# Altium PCB radioboard.PcbDoc (part 8 of 9) (continued)
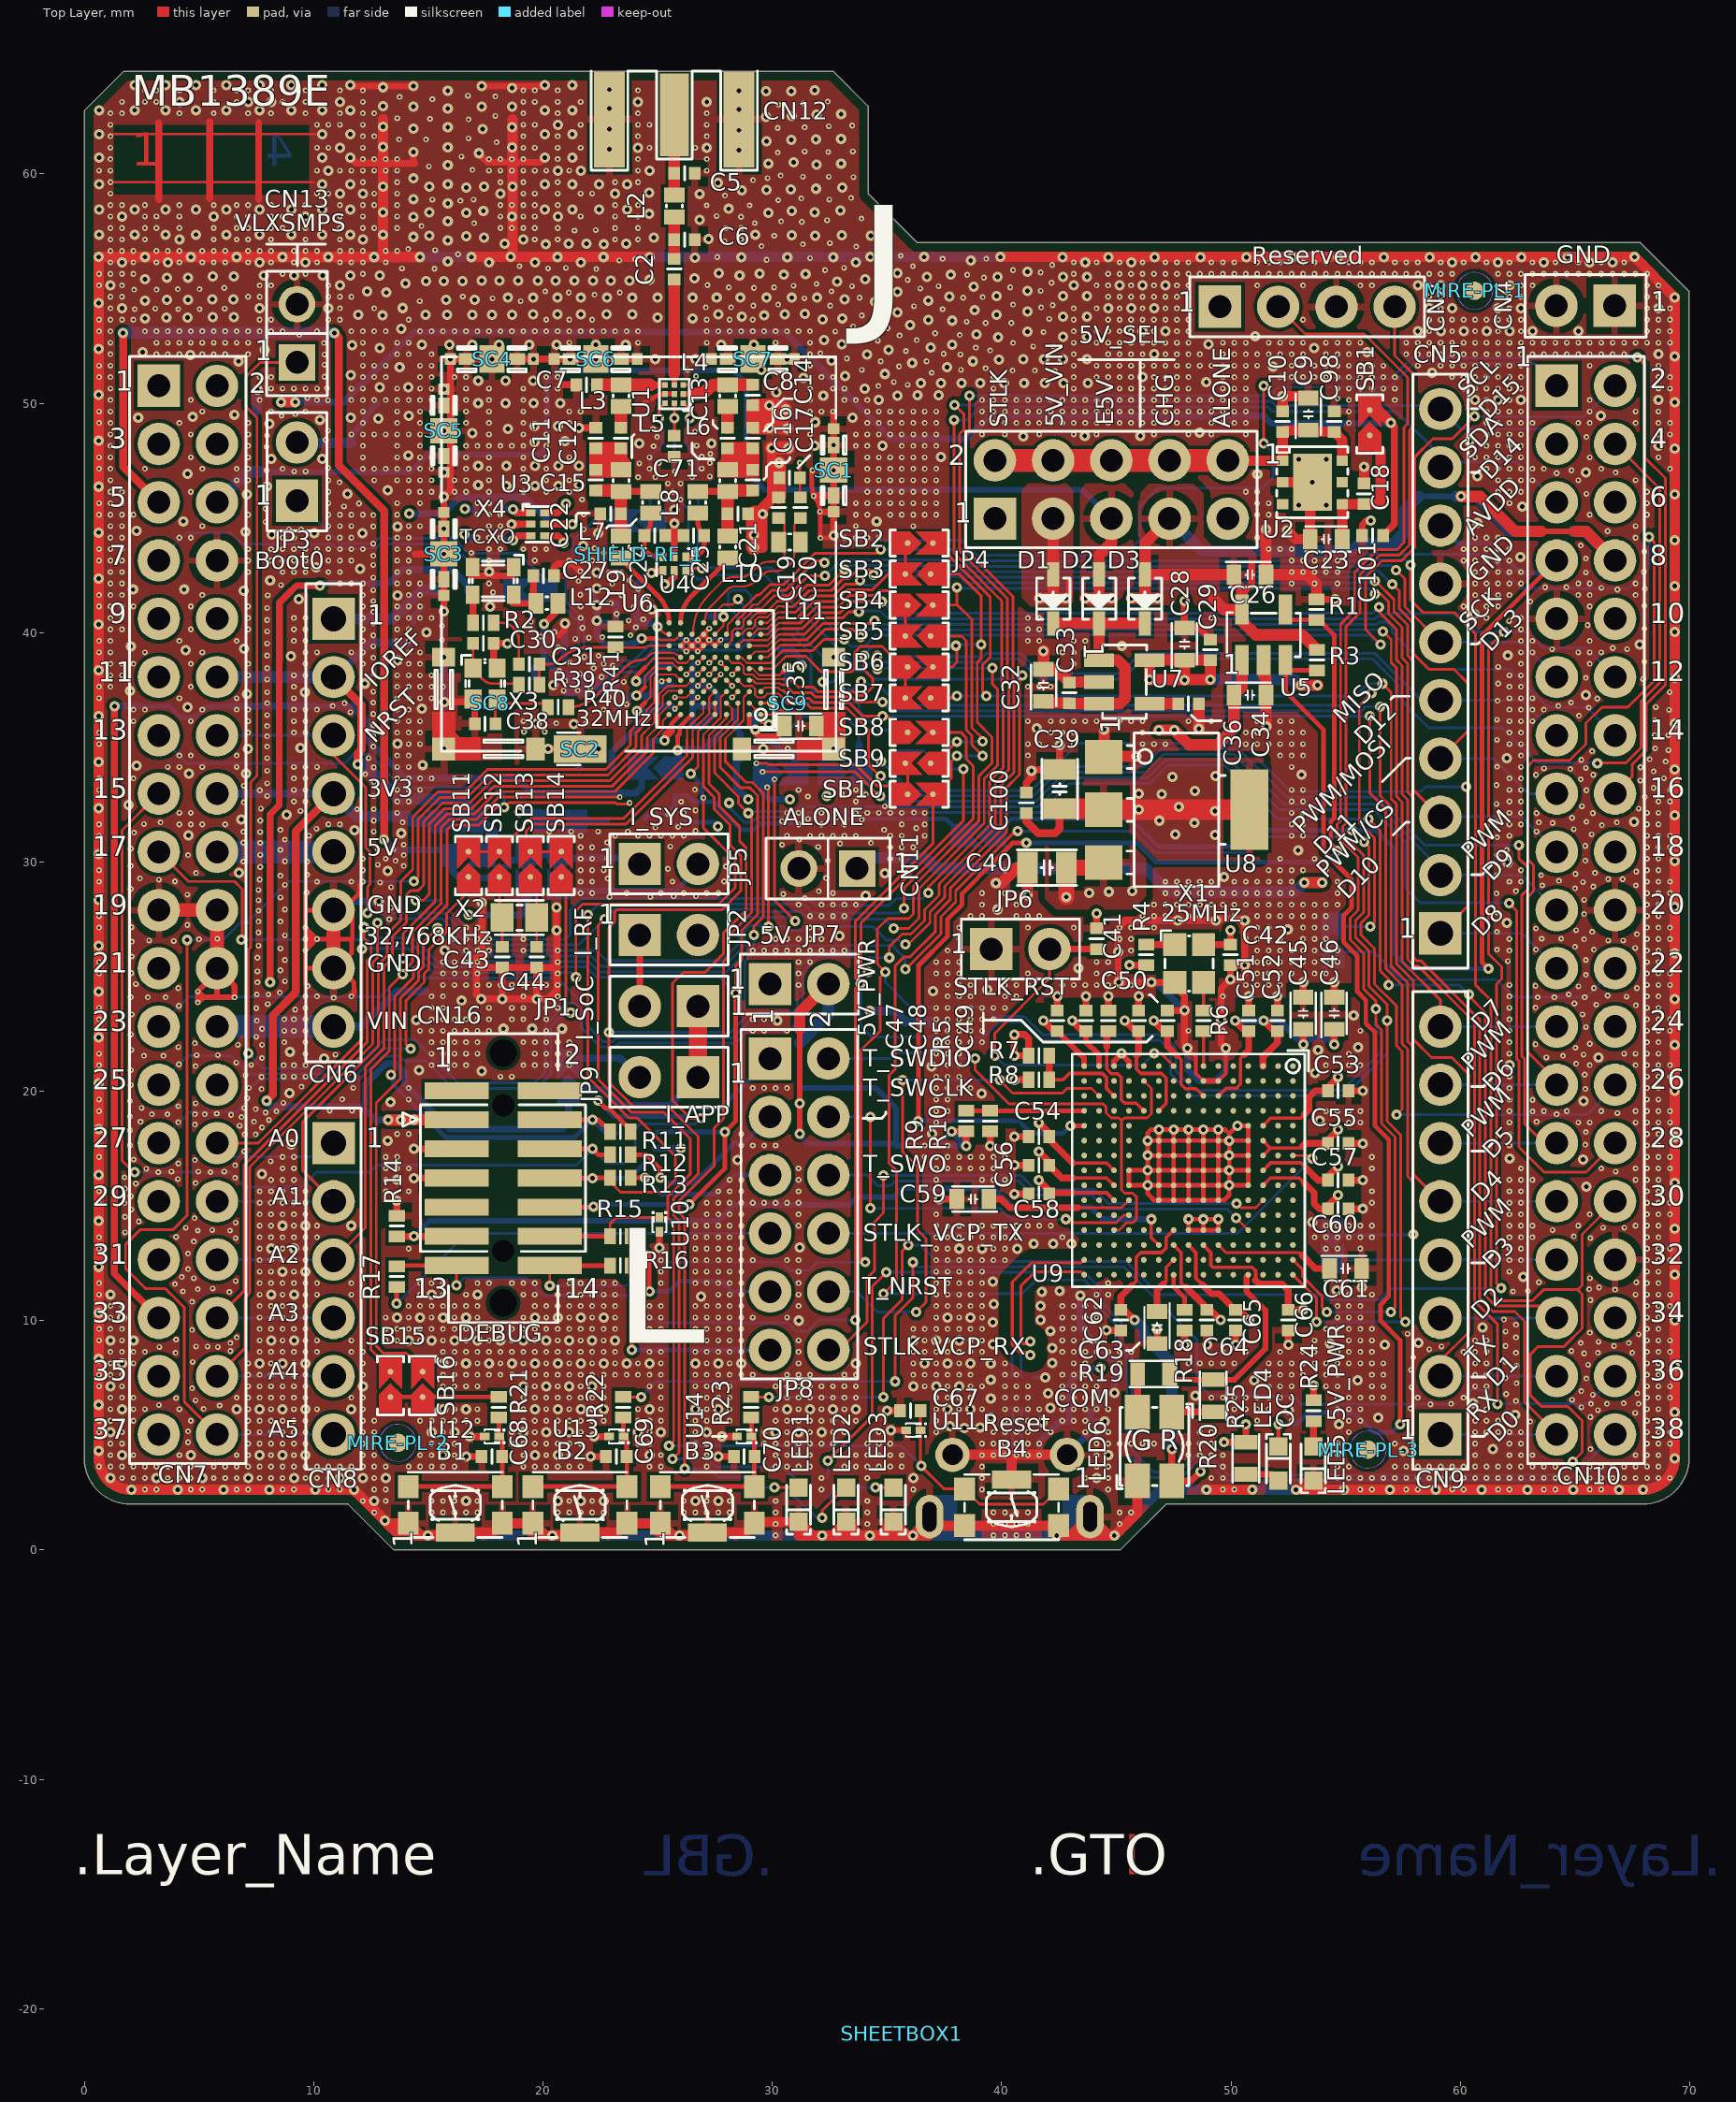
[diagram p0: Top Layer view]
## Nets (pads, with @x,y where several pads share a name; then routed paths per layer and width w, separated by ;. In a path a pad name is that pad's centre, name@x,y a point inside that pad or via, vN(x,y) a via of type N, cw(c..) or ccw(c..) an arc to the next point about the centre after c; other vN are vias at no path point) (continued)
  Bottom Layer w0.12: v3(34.85,16.325) 40.852,16.325 41.457,15.72 44.03,15.72 44.65,15.1 v3(50.25,15.1)
STLK_VCP_TX: JP8.8 U9.A7 | length 23.4
  Top Layer w0.12: U9.A7@52.7,17.2 53.4,17.2 53.525,17.075 v3(53.55,17.075)
  Bottom Layer w0.12: JP8.8@32.445,13.805 50.28,13.805 v3(53.55,17.075)
T_NRST: B4.1 B4.3 C67.2 CN6.3 CN7.14 CN16.12 R15.1 U6.F5 U10.1 U11.1 | length 118.9
  Top Layer w0.12: CN6.3@10.867,35.521 10.867,34.657 12.275,33.249 12.275,30.622 12.448,30.448 12.448,29.012 12.35,28.914 v3(12.35,27.775) ; v3(22.688,27.513) 22.415,27.24 22.415,20.514 23.844,19.085 25.275,19.085 26.405,17.955 26.405,17.93 26.418,17.918 26.418,16.384 25.45,15.416 25.45,14.5 ; R15.1@22.925,13.675 22.925,14.225 23.2,14.5 U10.1@25.075,14.5 25.45,14.5 ; v3(25.495,4.545) 25.7,4.75 25.7,14.25 25.45,14.5 ; v2(27.25,38.675) U6.F5@27.5,38.925 ; v3(35.3,27.1) 35.95,27.1 36.395,27.545 36.395,28.837 39.24,31.682 39.24,33.626 39.822,34.208 39.822,37.532 39.602,37.752 v3(39.602,38.452) ; U11.1@36.45,5.225 36.45,3.7 37.484,2.666 B4.3@38.383,2.666 39.049,2 41.817,2 B4.1@42.483,2.666 ; C67.2@36.45,6.075 36.462,6.063 U11.1@36.462,5.225
  Top Layer w0.2: CN16.12@20.296,13.678 22.156,13.678 22.159,13.675 R15.1@22.925,13.675
  Signal Layer 1 w0.12: v2(27.25,38.675) 27.545,38.97 27.767,38.97 28.262,39.465 31.612,39.465 32.205,38.872 32.205,38.757 33.542,37.42 33.993,37.42 34.577,38.004 34.577,38.154
  Bottom Layer w0.12: CN7.14@5.787,35.521 CN6.3@10.867,35.521 ; v3(12.35,27.775) 15.689,27.775 17.084,26.38 21.555,26.38 v3(22.688,27.513) 23.103,27.928 29.4,27.928 29.5,27.828 29.57,27.828 31.275,27.828 ; v3(25.495,4.545) 35.63,4.545 v3(36.5,3.675) ; 31.275,27.825 31.6,27.5 34.9,27.5 v3(35.3,27.1) ; v3(34.577,38.402) 34.577,38.448 39.598,38.448 v3(39.602,38.452)
T_NRSTa: JP8.10 U9.P3 | length 24
  Top Layer w0.12: v3(35.675,20.5) 35.675,17.375 36.332,16.718 36.332,13.943 36.7,13.575 36.7,10.8 v3(36.275,10.375) ; v3(39.925,20.5) 39.9,20.5 40.475,19.925 42.65,19.925 42.85,20.125 43.925,20.125 U9.P3@44.25,19.8
  Bottom Layer w0.12: JP8.10@32.445,11.265 33.685,11.265 34.575,10.375 v3(36.275,10.375) ; v3(35.675,20.5) v3(39.925,20.5)
T_PWR_EN: R1.2 U5.4 U9.R5 | length 48.7
  Top Layer w0.2: v3(36.35,18.7) 36.375,18.725 36.375,25.489 37.635,26.749 37.635,27.498 38.275,28.138 38.275,28.624 39.651,30 40.476,30.825 v3(41.075,30.825) ; v3(43,18.5) U9.R5@43.6,18.5 ; U5.4@52.375,41 52.375,40.55 R1.2@53.725,40.55 53.85,40.55 54.5,39.9 54.5,31.908 54.35,31.758 54.35,30.8 54.674,30.476 v3(54.653,30.476)
  Bottom Layer w0.2: v3(36.35,18.7) 36.375,18.725 40.725,18.725 41.275,18.175 42.675,18.175 v3(43,18.5) ; v3(41.075,30.825) 45.883,30.825 46.708,30 54.176,30 v3(54.653,30.476)
T_PWR_EXT: R9.2 R10.2 U9.R4 | length 5.2
  Top Layer w0.2: R9.2@38.45,19.15 R10.2@39.5,19.15 U9.R4@43.6,19.15
T_SWCLKa: JP8.4 U9.M11 | length 17.5
  Top Layer w0.12: v3(34.275,14.9) v3(34.275,18.875) ; v3(42.802,14.426) 42.802,14.448 42.975,14.275 45.006,14.275 45.331,14.6 U9.M11@45.55,14.6
  Bottom Layer w0.12: JP8.4@32.445,18.885 32.455,18.875 v3(34.275,18.875) ; v3(34.275,14.9) 34.28,14.895 39.93,14.895 40.399,14.426 v3(42.802,14.426)
T_SWDIOa: JP8.2 U9.L2 U9.N12 | length 23.5
  Top Layer w0.12: v3(38.85,21.425) 38.85,20.925 40.32,19.455 44.42,19.455 44.555,19.32 44.555,19.064 44.614,19.004 44.774,18.845 45.105,18.845 45.225,18.725 ; U9.N12@44.9,13.95 45.119,13.95 45.444,14.275 45.725,14.275 45.875,14.425 45.875,15.4 45.72,15.555 45.37,15.555 45.225,15.7 45.225,18.725 ; U9.L2@46.2,20.45 46.525,20.125 46.525,19.025 46.345,18.845 45.345,18.845 45.225,18.725
  Bottom Layer w0.12: JP8.2@32.445,21.425 35.175,21.425 35.425,21.675 37.275,21.675 37.525,21.425 v3(38.85,21.425)
T_SWO: CN16.8 R13.1 SB8.2 U16.3 | length 47
  Top Layer w0.12: v3(21.95,27.7) 21.95,20.64 23.745,18.845 24.105,18.845 25.775,17.175 25.775,16.15 25.225,15.6 23.388,15.6 22.925,16.063 R13.1@22.925,16.225 ; v3(35.75,27.975) 35.75,28.871 38.76,31.881 38.76,34.175 38.73,34.205 38.73,34.218 38.457,34.491 38.457,35.413 38.22,35.65 37.884,35.65 SB8.2@37,35.65
  Top Layer w0.2: CN16.8@20.296,16.218 v3(22.156,16.218) 22.163,16.225 R13.1@22.925,16.225
  Bottom Layer w0.12: v3(21.95,27.7) 22.418,28.168 31.375,28.168 ; 31.375,28.15 31.75,27.775 35.55,27.775 v3(35.75,27.975)
  Bottom Layer w0.2: v3(22.156,16.218) 23.784,16.218 24.429,16.862 U16.3@24.888,16.862
T_SWOa: JP8.6 U9.D12 | length 19.5
  Top Layer w0.12: v3(50.225,14.475) U9.D12@50.75,13.95
  Bottom Layer w0.12: JP8.6@32.445,16.345 34.13,16.345 34.6,15.875 35.15,15.875 35.36,16.085 40.753,16.085 41.358,15.48 43.931,15.48 44.551,14.86 49.84,14.86 v3(50.225,14.475)
T_VCP_RX: CN16.13 R17.2 SB5.1 SB10.2 U15.1 | length 61.9
  Top Layer w0.12: v3(16.232,11.532) CN16.13@16.232,12.408 ; v3(33.625,10.025) 33.63,10.03 33.63,24.48 v3(33.852,24.701) 33.852,24.723 33.63,24.945 33.63,27.43 37,30.8 SB10.2@37,32.95 37.1,32.95 37.6,33.45 37.8,33.65 37.8,34.375 v3(38.052,34.627) ; SB5.1@36.9,39.85 38.25,39.85 38.455,39.645 38.455,35.754 38.697,35.512 38.697,35.107 v3(39.177,34.627)
  Top Layer w0.2: R17.2@13.6,12.4 R17.2@13.65,12.4 ; R17.2@13.625,12.375 R17.2@13.65,12.4 ; CN16.13@15.8,12.408 13.658,12.408 R17.2@13.65,12.4
  Bottom Layer w0.12: v3(16.232,11.532) 16.575,11.875 19.25,11.875 20.025,11.1 23.775,11.1 24.965,9.91 30.667,9.91 31.027,9.55 31.575,9.55 32.05,10.025 v3(33.625,10.025) ; v3(33.852,24.701) 33.845,24.695 33.845,22.855 34.325,22.375 U15.1@37.175,22.375 ; v3(38.052,34.627) v3(39.177,34.627)
T_VCP_TX: CN16.14 R16.1 SB3.1 SB6.2 U15.3 | length 59.4
  Top Layer w0.12: v3(20.296,11.529) CN16.14@20.296,12.408 CN16.14@20.304,12.4 ; v3(34.052,12.551) 34.001,12.551 33.87,12.681 33.87,21.795 34.7,22.625 34.7,24.975 v3(34.925,25.2) 34.58,25.545 34.58,27.08 35.025,27.525 35.95,27.525 36.155,27.73 36.155,28.937 39,31.782 39,33.725 39.582,34.307 39.582,35.443 38.935,36.09 38.935,38.697 39.1,38.862 v3(39.1,39.475) 39.1,41.611 38.161,42.55 SB3.1@36.9,42.55 ; SB6.2@37,38.5 37.85,38.5 38.05,38.7 38.05,39.425 38.048,39.427 v3(38.002,39.427)
  Top Layer w0.2: CN16.14@20.304,12.4 R16.1@22.925,12.4
  Bottom Layer w0.12: v3(20.296,11.529) 23.779,11.529 24.8,12.55 30.425,12.55 30.775,12.2 31.625,12.2 31.975,12.55 v3@34.051,12.55 ; v3(34.925,25.2) 34.925,24.75 36,23.675 U15.3@37.175,23.675 ; v3(38.002,39.427) 38.05,39.475 v3(39.1,39.475)
USB_DEV_HS_CN_N: CN1.2 U17.5 | length 2.2
  Bottom Layer w0.124: U17.5@40.9,6.225 40.9,6.2 40.861,6.161 40.861,4.439 41.006,4.294 CN1.2@41.006,4.15
USB_DEV_HS_CN_P: CN1.3 U17.6 | length 2.2
  Bottom Layer w0.124: CN1.3@40.356,4.15 40.356,4.306 40.465,4.415 40.465,4.435 40.475,4.445 40.475,6.225 U17.6@40.4,6.225
USB_DEV_HS_N: U9.R14 U17.2 | length 8.8
  Top Layer w0.124: v3(41.25,8.498) 41.134,8.614 40.79,8.614 40.464,8.94 40.464,11.685 41.297,12.518 43.468,12.518 U9.R14@43.6,12.65
  Bottom Layer w0.124: U17.2@40.9,7.525 40.843,7.582 40.843,8.493 40.975,8.625 41.123,8.625 v3(41.25,8.498)
USB_DEV_HS_P: U9.R15 U17.1 | length 8.1
  Top Layer w0.124: v3(41.25,9.1) 41.15,9 40.95,9 40.85,9.1 40.85,11.525 41.457,12.132 43.468,12.132 U9.R15@43.6,12
  Bottom Layer w0.124: U17.1@40.4,7.525 40.457,7.582 40.457,8.653 40.815,9.011 41.161,9.011 v3(41.25,9.1)
VBAT: C84.2 CN7.33 SB21.2 U6.A8 | length 57.9
  Top Layer w0.2: 25.6,35.75 25.6,36.025 U6.A8@26,36.425
  Top Layer w0.3: v3(1.316,36.791) 1.316,12.052 CN7.33@3.247,10.121
  Top Layer w0.35: v3(25.3,35.3) 25.355,35.355 25.355,35.49 25.6,35.735
  Bottom Layer w0.2: 2.341,36.791 3.709,36.791 4.2,36.3 4.834,36.3 5.28,36.746 5.325,36.791 6.416,36.791 ; 10.134,36.791 11.4,36.791
  Bottom Layer w0.3: v3(1.316,36.791) 2.341,36.791 ; 6.416,36.791 10.134,36.791 ; 11.4,36.791 11.65,36.791 12.425,36.016 12.425,35.225 14.006,33.644 18.881,33.644 19.525,33 24.05,33 24.3,33.25 SB21.2@24.3,34.1 24.3,34.75 24.85,35.3 v3(25.3,35.3) 25.3,35.575 C84.2@25.625,35.9
VDD_APP: JP9.2 SB32.2 U3.5 U4.5 | length 50.6
  Top Layer w0.3: U3.5@20.075,44.725 v3(21.275,44.725) ; v3(25.3,42.1) 25.4,42.1 25.725,42.425 U4.5@25.725,42.7
  Signal Layer 2 w0.2: v3(14.175,45.187) 14.175,32.075 14.95,31.3 15.579,30.671 15.579,27.575 15.847,27.308 15.847,26.753 16.17,26.429 16.17,25.905 17.35,24.725 20.7,24.725 22.013,23.413 22.013,21.512 22.913,20.612 JP9.2@24.219,20.612 ; v3(21.275,44.725) 21.705,44.725 21.905,44.925 23.6,44.925 25.3,43.225 v3(25.3,42.1)
  Bottom Layer w0.3: v3(14.175,45.187) 15.662,45.187 16.362,45.888 19.212,45.888 20.375,44.725 v3@21.075,44.725 ; SB32.2@21.113,21.263 21.295,21.445 23.387,21.445 JP9.2@24.219,20.612
VDD_MCU: CN7.5 JP1.2 JP2.1 JP5.1 SB27.1 SB28.1 SB29.1 | length 59.7
  Top Layer w0.3: JP1.2@24.219,23.713 JP2.1@24.219,26.812
  Top Layer w0.35: v3(1.69,53.065) 1.69,47.238 CN7.5@3.247,45.681 ; v3(10.9,53.065) 11.1,52.865 11.1,47.285 13.08,45.305 13.08,30.98 v3(13.075,30.975)
  Signal Layer 1 w0.3: JP2.1@24.219,26.812 24.205,26.826 24.205,29.913 JP5.1@24.219,29.913
  Bottom Layer w0.3: v3(13.075,30.975) 13.525,30.525 15.975,30.525 SB29.1@16.225,30.275 16.05,30.1 16.05,29.6 16.35,29.3 17.875,29.3 18.65,30.075 SB28.1@19.3,30.075 19.525,30.3 20.475,30.3 SB27.1@20.7,30.075 20.8,30.175 23.768,30.175 JP5.1@24.219,29.724
  Bottom Layer w0.5: v3(1.69,53.065) v3(10.9,53.065)
VDD_RF: C35.2 C37.1 JP2.2 SB23.2 SB28.2 U6.A2 | length 45.8
  Top Layer w0.2: U6.A2@29,36.425 29,35.9 29.125,35.775 v3(29.25,35.775)
  Top Layer w0.3: v3(29.25,35.775) 29.25,35.65 29.45,35.45 30.175,35.45 C35.2@30.65,35.925
  Signal Layer 2 w0.35: v3(16.762,27.688) 18.55,25.9 22.525,25.9 23.025,25.4 25.346,25.4 JP2.2@26.759,26.812 27.571,26 33.2,26 33.796,26.596 33.796,27.096 35.95,29.25 35.95,34.95 35.2,35.7 31.775,35.7 31.55,35.475 29.425,35.475 29.25,35.65 v3(29.25,35.775)
  Bottom Layer w0.3: v3(16.762,27.688) 19.05,27.688 19.3,27.938 SB28.2@19.3,28.975 ; C37.1@29.25,36.5 29.24,36.49 29.25,36.48 v3(29.25,35.775) 29.25,35.65 29.48,35.42 29.805,35.42 30.4,34.825 30.775,34.825 30.975,34.625 SB23.2@30.975,33.85
VDD_SYS: C75.2 C81.2 C83.2 C86.2 C87.2 JP5.2 SB21.1 SB24.1 SB27.2 U6.A7 U6.E2 U6.E9 U6.H5 | length 69
  Top Layer w0.09: 24.45,36.95 24.685,37.185 24.685,38.087 25.023,38.425 U6.E9@25.5,38.425 ; U6.H5@27.5,39.925 27.875,40.3 27.875,40.686 v3(27.87,40.691) ; U6.E2@29,38.425 29.146,38.425 29.426,38.145 30.32,38.145 30.468,38.293
  Top Layer w0.2: v3(24.1,36.575) 24.1,36.6 24.45,36.95 ; v3(25.875,34.875) 25.875,35.494 25.965,35.584 25.965,35.887 25.963,35.888 U6.A7@26.5,36.425 ; 30.468,38.293 v3(30.651,38.477)
  Signal Layer 2 w0.35: v3(18.962,32.175) 18.962,31.538 20.713,29.787 22.187,29.787 23.3,28.675 25.521,28.675 ; v3(24.1,36.575) 24.625,36.575 ; 25.846,29 25.521,28.675 ; v3(25.875,34.875) v3@26.053,34.875 ; v3(30.651,38.477) 28.437,40.691 v3(27.87,40.691) 26,38.821 26,37.9 24.65,36.55 25.25,35.95 25.925,35.95 26.526,35.349 v3@26.053,34.875 ; 25.521,28.675 26.57,29.724 26.948,29.724 28.196,28.475 31.775,28.475 32.4,29.1 32.4,30.55 33,31.15 33.7,31.15 34.125,31.575 34.125,33.775 33.575,34.325 28.325,34.325 27.375,35.275 26.975,34.875 v3@26.053,34.875
  Bottom Layer w0.25: SB27.2@20.7,28.975 20.933,28.743 25.777,28.743 JP5.2@26.759,29.724
  Bottom Layer w0.3: v3(18.962,32.175) 19.825,32.175 SB24.1@20.225,31.775 ; C87.2@23,34.1 23,34.775 24.1,35.875 v3(24.1,36.575) 24.925,36.575 25.15,36.8 C83.2@25.625,36.8 ; C75.2@27.25,40.7 27.259,40.691 v3(27.87,40.691) ; C81.2@30.65,37.825 30.65,38.475 v3(30.651,38.477)
  Bottom Layer w0.35: SB21.1@25.4,34.1 25.725,34.1 25.875,34.25 v3(25.875,34.875) 27,34.875 C86.2@27.7,35.575
VDDPA: C78.2 U3.4 U6.H8 | length 10.2
  Top Layer w0.09: 24.875,39.75 24.9,39.75 24.965,39.75 cw(c24.965,39.665) 25.025,39.725 ccw(c25.146,39.846) 25.146,39.675 25.175,39.675 ; 25.181,39.675 25.75,39.675 U6.H8@26,39.925
  Top Layer w0.2: v3(24.3,39.75) 24.8,39.75
  Top Layer w0.3: U3.4@20.075,44.225 20.65,44.225 20.903,43.972 20.9,43.97 v3(20.9,43.9)
  Signal Layer 2 w0.35: v3(20.9,43.9) 20.9,43.575 21.275,43.2 ; 21.55,43.2 21.275,43.2 ; v3(24.3,39.75) 24.24,39.81 24.24,41.635 22.675,43.2 21.275,43.2
  Bottom Layer w0.3: C78.2@23.575,39.5 23.696,39.5 ccw(c23.696,40.354) v3(24.3,39.75)
VDDRF: C82.2 C93.2 R37.2 SB23.1 U6.E8 | length 35.1
  Top Layer w0.09: 24.45,37.625 24.45,38.106 25.018,38.675 25.642,38.675 25.892,38.425 U6.E8@26,38.425
  Top Layer w0.2: v3(24.075,37.25) 24.45,37.625
  Signal Layer 2 w0.35: v3(16.575,44.288) 17.413,43.45 18.69,43.45 23.002,39.138 23.012,39.138 23.55,38.6 24.325,38.6 24.675,38.25 24.675,37.575 24.35,37.25 v3(24.075,37.25) 23.75,37.25 21.905,35.405 21.905,34.57 23.225,33.25 26.715,33.25 27.275,32.69 27.275,32.675 28.4,31.55 29.125,31.55 30.3,32.725 v3(30.775,32.725)
  Bottom Layer w0.3: C93.2@23.175,36.6 23.825,37.25 v3(24.075,37.25) 24.625,37.25 25.075,37.7 C82.2@25.625,37.7 ; 29.575,33.925 29.575,33.025 29.875,32.725 v3(30.775,32.725)
  Bottom Layer w0.35: v3(16.575,44.288) 16.75,44.113 R37.2@17.175,44.113
VDDRF1V55: C80.2 R38.2 SB22.1 U6.F7 | length 41.7
  Top Layer w0.09: 24.45,38.481 24.844,38.875 25.696,38.875 25.896,38.675 26.25,38.675 U6.F7@26.5,38.925
  Top Layer w0.2: v3(24.051,37.877) 24.051,38.082 24.45,38.481
  Signal Layer 2 w0.35: v3(16.6,45.387) 15.802,45.387 15.155,44.74 15.155,43.21 16.59,41.775 17.825,41.775 21.712,37.888 ; v3(24.051,37.877) 21.702,37.877 20.35,36.525 20.35,35.9 19.65,35.2 19.65,33.925 21.75,31.825 26.572,31.825 28.297,30.1 29.65,30.1 30.575,31.025 31.1,31.025 32.375,32.3 v3(32.375,32.875)
  Bottom Layer w0.3: v3(16.6,45.387) 17.013,45.387 R38.2@17.163,45.237 ; v3(24.051,37.877) 24.377,37.877 25.1,38.6 C80.2@25.625,38.6 ; v3(32.375,32.875) 32.375,33.55 SB22.1@32.675,33.85
VIN: C40.2 C99.2 CN6.8 CN7.24 U8.3 | length 71.8
  Top Layer w0.7: v3(42.825,28.475) C40.2@42.825,29.75 44.225,29.75 U8.3@44.45,29.975
  Signal Layer 2 w0.35: CN7.24@5.787,22.821 CN6.8@10.867,22.821 12.204,22.821 14.025,21 14.025,20.475 15.212,19.288 15.212,17.738 20.4,12.55 33.113,12.55 33.75,13.187 33.75,15.338 34,15.587 35.362,15.587 35.788,16.013 35.788,18.887 37.575,20.675 37.575,21.6 40.645,24.67 43.495,24.67 43.875,25.05 43.875,26.7 42.825,27.75 v3(42.825,28.475) 43,28.65 v3(43.825,28.65) 43.875,28.7 v3(44.675,28.7) 45.675,28.7 v3(45.7,28.725)
  Bottom Layer w0.35: CN6.8@10.867,22.821 12.071,22.821 13.02,23.77 13.047,23.77 13.627,24.35 C99.2@14.875,24.35
  Bottom Layer w1: CN7.24@5.787,22.821 CN6.8@10.867,22.821
XTA: C31.2 R39.1 R41.2 U6.G9 | length 6.8
  Top Layer w0.09: 24.45,39.359 cw(c24.722,38.828) 24.722,39.425 U6.G9@25.5,39.425
  Top Layer w0.12: R39.1@19.85,37.725 19.845,37.725 19.845,38.62 C31.2@19.85,38.625 20.265,38.625 ccw(c20.265,39.222) 20.688,38.8 cw(c22.045,37.442) 22.045,39.363 R41.2@23.162,39.363 ; R41.2@23.162,39.345 24.45,39.345
pads on no net: CN1.4 CN7.1 CN7.2 CN7.3 CN7.4 CN7.9 CN7.10 CN7.11 CN7.21 CN7.26 CN7.29 CN7.31 CN7.35 CN7.37 CN10.6 CN10.10 CN10.18 CN10.24 CN10.34 CN16.0 CN16.1 CN16.2 CN16.9 MIRE-PL-1.1 MIRE-PL-2.1 MIRE-PL-3.1 MIRE-PL-4.1 MIRE-PL-5.1 MIRE-PL-6.1 SHEETBOX1.1 U2.3 U2.5 U9.A1 U9.A2 U9.A3 U9.A4 U9.A5 U9.A6 U9.A8 U9.A9 U9.A10 U9.A11 U9.A12 U9.A13 U9.B1 U9.B2 U9.B3 U9.B4 U9.B5 U9.B6 U9.B7 U9.B8 U9.B9 U9.B10 U9.B11 U9.B12 U9.B13 U9.B14 U9.B15 U9.C2 U9.C3 U9.C4 U9.C11 U9.C12 U9.C13 U9.C14 U9.C15 U9.D1 U9.D2 U9.D3 U9.D4 U9.D10 U9.D11 U9.D13 U9.D14 U9.E1 U9.E2 U9.E3 U9.E4 U9.E12 U9.E13 U9.E14 U9.E15 U9.F1 U9.F4 U9.F14 U9.F15 U9.G4 U9.G14 U9.G15 U9.H1 U9.H2 U9.H3 U9.H4 U9.H14 U9.H15 U9.J2 U9.J3 U9.J4 U9.K1 U9.K2 U9.K3 U9.K12 U9.K14 U9.K15 U9.L1 U9.L3 U9.L12 U9.L13 U9.L14 U9.L15 U9.M2 U9.M3 U9.M4 U9.M5 U9.M6 U9.M7 U9.M12 U9.M13 U9.M14 U9.M15 U9.N2 U9.N4 U9.N5 U9.N6 U9.N7 U9.N11 U9.N13 U9.N14 U9.N15 U9.P2 U9.P4 U9.P5 U9.P6 U9.P7 U9.P8 U9.P9 U9.P10 U9.P11 U9.P12 U9.P13 U9.P14 U9.P15 U9.R2 U9.R3 U9.R6 U9.R7 U9.R8 U9.R9 U9.R10 U9.R11 U9.R12 U9.R13 U17.4

## Polygon pours and split planes (outlines as drawn)
GND on Signal Layer 2 "GND_L03_P098" (solid, remove dead copper, pour order 98): 67.9,56.725 69.725,54.9 69.725,3.45 68.45,2.175 47.075,2.175 45.125,0.225 13.525,0.225 11.6,2.15 1.25,2.15 0.175,3.225 0.175,52.175 0.05,52.3 0.05,62.725 1.7,64.375 10.2,64.375 10.225,64.35 36.925,64.35 36.925,56.975 67.9,56.975
GND on Signal Layer 2 "GND_L03_P100" (solid, remove dead copper, pour order 100): 15.45,39.3 15.45,35.375 17.7,35.375 17.7,38.8 18,39.1 18,39.3
GND on Signal Layer 2 "GND_L03_P121" (solid, remove dead copper, pour order 121): 57.7,56.75 57.7,49.1 58.325,48.475 69.725,48.475 69.775,48.525 69.775,54.875 67.9,56.75
NetC13_2 on Top Layer "NETC13_2_L01_P084" (solid, remove dead copper, pour order 84): 27.775,48.275 27.775,47.575 27.6,47.4 27.6,46.775 29.425,46.775 29.425,48.275
NetC11_2 on Top Layer "NETC11_2_L01_P083" (solid, remove dead copper, pour order 83): 22.025,48.275 22.025,46.778 23.85,46.772 23.85,47.425 23.675,47.6 23.675,48.275
5V_VIN on Top Layer "5V_VIN_L01_P085" (solid, remove dead copper, pour order 85): 41.15,46.5 40.875,46.225 40.875,41.525 41.25,41.15 42.925,41.15 43.2,41.425 43.2,46.125 42.825,46.5
5V_USB_CHGR on Top Layer "5V_USB_CHGR_L01_P082" (solid, remove dead copper, pour order 82): 46.425,46.475 45.95,46 45.95,41.4 46.15,41.2 49.75,41.2 50,40.95 50.025,40.975 50.875,40.975 50.875,41 51.175,41.3 51.175,43.375 50.775,43.775 49.2,43.775 48.8,44.175 48.8,46.05 48.375,46.475
E5V on Top Layer "E5V_L01_P076" (solid, remove dead copper, pour order 76): 43.69,46.5 43.415,46.225 43.415,41.525 43.79,41.15 44.85,41.15 45.74,42.04 45.74,46.125 45.365,46.5
VIN on Top Layer "VIN_L01_P090" (solid, remove dead copper, pour order 90): 42.175,31 41.9,30.725 41.9,28.4 42.375,27.925 45.725,27.925 46.3,28.5 46.3,30.225 45.525,31
5V_VIN on Top Layer "5V_VIN_L01_P086" (solid, remove dead copper, pour order 86): 41.075,33.2 40.8,32.925 40.8,31.7 41.275,31.225 45.65,31.225 46.8,30.075 51.375,30.075 51.825,30.525 51.825,34.075 51.375,34.525 49.775,34.525 46.85,34.525 45.925,33.6 43.675,33.6 43.275,33.2
GND on Top Layer "GND_L01_P123" (solid, remove dead copper, pour order 123): 69.7,41.325 69.85,41.325 69.85,51.225 69.8,51.275 69.65,51.275 69.65,56.925 36.675,56.925 36.675,64.475 11.475,64.475 11.475,64.45 1.75,64.45 0.025,62.725 0.025,0 40.075,0 40.075,0.2 68.45,0.2 69.7,1.45
5V_VIN on Bottom Layer "5V_VIN_L04_P088" (solid, remove dead copper, pour order 88): 47.35,34.075 46.575,33.3 45.825,33.3 45.625,33.1 45.625,32.45 47.225,30.85 49.675,30.85 49.95,31.125 49.95,33.6 49.475,34.075
VIN on Bottom Layer "VIN_L04_P091" (solid, remove dead copper, pour order 91): 42.85,29.475 42.5,29.125 42.5,28.425 42.75,28.175 46,28.175 46.3,28.475 46.3,28.95 45.775,29.475
GND on Bottom Layer "GND_L04_P097" (solid, remove dead copper, pour order 97): 0.05,0 0.05,62.725 1.8,64.475 11.48,64.475 36.75,64.475 36.75,56.925 69.972,56.925 69.972,0
GND on Signal Layer 1 "GND_L02_P115" (solid, remove dead copper, pour order 115): 0,56.6 -0.025,56.625 -0.025,62.875 1.6,64.5 36.775,64.5 36.775,56.6 68.95,56.6 69.972,55.578 69.972,1.097 68.875,0 1.875,0 0,1.875 0,55.55

## Other copper
Top Layer:
  pour cut-out: 18.575,39.8 18.75,39.625 18.75,39.45 18.6,39.3 18.4,39.3 18.225,39.125 18.225,34.425 15.85,34.425 15.85,33.825 18.775,33.825 18.775,38.825 19.175,39.225 19.175,40.175 16.375,40.175 16.375,41.05 15.85,41.05 15.85,39.8
  pour cut-out: 43,23.875 42.975,23.85 41.075,23.85 39.7,22.475 39.7,18.85 40.15,18.4 40.725,18.4 41.2,17.925 41.2,15.753 47.227,9.725 53.525,9.725 54.3,10.5 54.3,12.4 53.341,13.359 53.341,21.884 52.6,22.625 51.125,22.625 50.575,22.075 50.575,21.15 50.205,20.78 48.42,20.78 47.55,21.65 47.55,23.875
  pour cut-out: 14.75,20.475 14.75,12.475 15.4,11.825 23.175,11.825 24.075,10.925 24.825,10.925 25,11.1 25,12.15 24.475,12.675 24.475,13.8 25.425,14.75 25.425,19.275 24.225,20.475
  pour cut-out: 52.525,41.175 55.325,41.175 55.8,41.65 55.8,43.15 57.25,44.6 57.25,45.45 57.7,45.9 59.8,45.9 60.15,45.55 60.15,44.125 59.85,43.825 58.9,43.825 58.75,43.675 58.75,41.575 56.55,39.375 53.375,39.375 52.525,40.225
  pour cut-out: 50.325,36.55 50.35,36.525 53.7,36.525 53.85,36.675 53.85,37.75 53.15,38.45 50.525,38.45 50.325,38.25
  text "1" at 2.045,59.865 h2.5
Signal Layer 1:
  pour cut-out: 18.575,39.8 18.75,39.625 18.75,39.45 18.6,39.3 18.4,39.3 18.225,39.125 18.225,34.425 15.85,34.425 15.85,33.825 18.775,33.825 18.775,38.825 19.175,39.225 19.175,40.175 16.375,40.175 16.375,41.05 15.85,41.05 15.85,39.8
  pour cut-out: 25.889,51.025 ccw(c25.889,51.27) 26.135,51.27 26.135,57.002 cw(c26.757,57.002) 26.317,57.442 ccw(c25.769,57.999) 26.55,57.993 26.55,64.475 ccw(c26.225,64.475) 26.225,64.8 25.1,64.8 ccw(c25.1,64.6) 24.9,64.6 24.9,58.025 24.9,57.897 ccw(c25.497,57.897) 25.156,57.407 cw(c24.772,57.024) 25.315,57.024 25.315,51.29 ccw(c25.632,51.342) 25.684,51.025
  text "2" at 3.795,59.865 h2.5
Signal Layer 2:
  pour cut-out: 18.575,39.8 18.75,39.625 18.75,39.45 18.6,39.3 18.4,39.3 18.225,39.125 18.225,34.425 15.85,34.425 15.85,33.825 18.775,33.825 18.775,38.825 19.175,39.225 19.175,40.175 16.375,40.175 16.375,41.05 15.85,41.05 15.85,39.8
  text "3" at 7.125,59.9 h2.5
Bottom Layer:
  pour cut-out: 18.575,39.8 18.75,39.625 18.75,39.45 18.6,39.3 18.4,39.3 18.225,39.125 18.225,34.425 15.85,34.425 15.85,33.825 18.775,33.825 18.775,38.825 19.175,39.225 19.175,40.175 16.375,40.175 16.375,42.441 15.85,42.441 15.85,39.8
  pour cut-out: 39.35,36.175 39.53,35.995 39.53,33.255 39.35,33.075 39.305,33.12 35.88,33.12 34.95,34.05 34.95,35.725 35.4,36.175
  pour cut-out: 31.283,34.48 31.303,34.5 32.4,34.5 32.4,32.75 31.85,32.2 30.575,32.2 30.225,32.55 30.225,34.419 30.159,34.485
  pour cut-out: 44.25,22.075 44.075,21.9 44.075,21.5 44.25,21.325 44.25,21.145 40.105,21.145 39.625,21.625 39.625,22.625 40.025,23.025 40.075,22.975 41.05,22.975 41.95,22.075
  pour cut-out: 21.625,30.65 24.375,33.4 24.375,33.6 24.15,33.825 21.975,33.825 21.625,33.475 21.55,33.475 21.55,33.45 19.825,31.725 14.175,31.725 14.175,29.075 18.775,29.075 19.55,28.3 20.963,28.3 21.625,28.962
  text "4" at 9.15,59.85 h2.5
Multi-Layer:
  pour cut-out: 1.295,62.115 1.295,59.115 9.795,59.115 9.795,62.115

## Silkscreen, mask and mechanical layers (free items; w line width, h text height)
Top Overlay:
  lines w0.1: 30.5,50.2 30.975,50.2
  lines w0.12: 7.95,56.925 10.525,56.925 ; 9.3,56 9.3,56.9 ; 21.45,44.825 21.45,45.125 21.525,45.2 22.025,45.2 ; 22.775,44.562 22.862,44.65 23.787,44.65 24.075,44.937 ; 23.875,47.613 23.875,48.538 23.975,48.637 ; 26.5,48.262 26.5,47.85 26.775,47.575 27.413,47.575 27.463,47.525 ; 27.375,4.95 28,4.95 ; 27.413,49.238 27.413,49.088 27.6,48.9 ; 29.625,46.675 29.75,46.8 29.75,47.2 29.75,47.225 29.937,47.413 30.613,47.413 30.775,47.575 30.775,47.637 ; 29.637,48.775 30.037,49.175 30.037,49.737 30.5,50.2 ; 31.113,47.175 31.113,47.188 31.638,47.713 ; 33.95,18.825 34.775,18.825 34.95,19 34.95,19.1 ; 39.2,22.525 39.2,23.4 ; 39.2,23.1 40.85,23.1 41.8,22.15 42.55,22.15 46.325,22.15 46.575,22.4 ; 43.35,51.9 47.525,51.9 ; 45.425,8.7 45.675,8.7 46,9.025 ; 46.05,48.975 46.05,51.9 ; 46.425,24.2 46.5,24.2 46.8,23.9 ; 48.275,36.4 48.525,36.15 49.575,36.15 ; 56.6,33.5 57.625,34.525 57.8,34.525 ; 56.975,37.1 57.1,37.225 57.775,37.225 ; 57.075,31.175 57.625,31.725 57.775,31.725 ; 60.475,39.5 60.75,39.5 60.95,39.7 ; 60.475,46.975 60.75,46.975 60.95,47.175 ; 60.475,49.75 60.75,49.75 60.95,49.95 ; 60.5,4.95 61.025,4.95 61.175,5.1 ; 60.5,7.55 61.125,7.55 61.25,7.675 ; 60.5,12.525 61.05,12.525 61.4,12.875 ; 60.5,17.4 61.075,17.4 61.4,17.725 ; 60.5,20.2 61,20.2 61.375,20.575 ; 60.5,29.45 60.95,29.45 61.35,29.85 ; 46.8,23.9 46.8,23.9
  text "MB1389E" at 2.063,62.512 h2.3
  text "VLXSMPS" at 6.575,57.225 h1.3
  text "GND" at 64.175,55.85 h1.3
  text "Reserved" at 50.9,55.8 h1.3
  text "5V_SEL" at 43.35,52.35 h1.3
  text "J" at 33.643,52.138 h11
  text "SCL / D15" at 61.425,49.075 h1.3 r45
  text "E5V" at 45.125,49.025 h1.3 r90
  text "CHG" at 47.75,48.975 h1.3 r90
  text "5V_VIN" at 42.925,48.95 h1.3 r90
  text "STLK" at 40.5,48.925 h1.3 r90
  text "ALONE" at 50.225,48.9 h1.3 r90
  text "3" at 1.08,47.737 h1.5
  text "4" at 68.255,47.737 h1.5
  text "SDA / D14" at 61.497,46.413 h1.3 r45
  text "5" at 1.08,45.197 h1.5
  text "6" at 68.255,45.197 h1.5
  text "AVDD" at 60.75,43.975 h1.3 r45
  text "TCXO" at 16.375,43.65 h1.1
  text "7" at 1.08,42.657 h1.5
  text "8" at 68.255,42.657 h1.5
  text "Boot0" at 7.425,42.5 h1.3
  text "GND" at 60.95,41.925 h1.3 r45
  text "9" at 1.08,40.117 h1.5
  text "10" at 68.255,40.129 h1.5
  text "SCK / D13" at 61.5,38.911 h1.3 r45
  text "11" at 0.605,37.577 h1.5
  text "12" at 68.255,37.589 h1.5
  text "IOREF" at 12.844,37.377 h1.3 r45
  text "32MHz" at 21.462,35.675 h1.2
  text "13" at 0.355,35.037 h1.5
  text "14" at 68.255,35.049 h1.5
  text "NRST" at 12.844,34.933 h1.3 r45
  text "MISO / D12" at 56,34.85 h1.3 r45
  text "3V3" at 12.325,32.572 h1.3
  text "15" at 0.355,32.497 h1.5
  text "16" at 68.255,32.509 h1.5
  text "I_SYS" at 23.787,31.325 h1.3
  text "ALONE" at 30.462,31.325 h1.3
  text "PWM/MOSI / D11" at 54.225,30.05 h1.3 r45
  text "5V" at 12.325,30.003 h1.3
  text "17" at 0.355,29.957 h1.5
  text "18" at 68.255,29.969 h1.5
  text "PWM / D9" at 61.585,28.915 h1.3 r45
  text "PWM/CS / D10" at 55.275,28.125 h1.3 r45
  text "GND" at 12.325,27.5 h1.3
  text "19" at 0.355,27.417 h1.5
  text "20" at 68.257,27.429 h1.5
  text "25MHz" at 46.95,27.125 h1.3
  text "D8" at 61.125,26.5 h1.3 r45
  text "5V" at 29.45,26.163 h1.3
  text "32,768KHz" at 12.175,26.125 h1.3
  text "I_RF" at 22.387,25.875 h1.3 r90
  text "GND" at 12.325,24.948 h1.3
  text "21" at 0.355,24.877 h1.5
  text "22" at 68.257,24.889 h1.5
  text "STLK_RST" at 37.9,23.925 h1.3
  text "VIN" at 12.326,22.433 h1.3
  text "5V_PWR" at 34.75,22.375 h1.3 r90
  text "23" at 0.355,22.337 h1.5
  text "D7" at 61.1,22.35 h1.3 r45
  text "24" at 68.257,22.349 h1.5
  text "I_SoC" at 22.463,22.2 h1.3 r90
  text "T_SWDIO" at 33.95,20.8 h1.3
  text "25" at 0.355,19.797 h1.5
  text "26" at 68.257,19.809 h1.5
  text "PWM / D6" at 61.6,19.736 h1.3 r45
  text "T_SWCLK" at 33.95,19.525 h1.3
  text "I_APP" at 25.325,18.363 h1.3
  text "A0" at 8.027,17.328 h1.3
  text "27" at 0.355,17.257 h1.5
  text "28" at 68.257,17.269 h1.5
  text "PWM / D5" at 61.59,16.817 h1.3 r45
  text "T_SWO" at 33.95,16.2 h1.3
  text "D4" at 61.1,14.925 h1.3 r45
  text "A1" at 8.186,14.788 h1.3
  text "29" at 0.355,14.717 h1.5
  text "30" at 68.257,14.729 h1.5
  text "STLK_VCP_TX" at 33.95,13.2 h1.3
  text "A2" at 8.033,12.248 h1.3
  text "31" at 0.355,12.177 h1.5
  text "32" at 68.257,12.189 h1.5
  text "PWM / D3" at 61.6,11.975 h1.3 r45
  text "T_NRST" at 33.925,10.875 h1.3
  text "D2" at 61.1,9.8 h1.3 r45
  text "A3" at 8.025,9.708 h1.3
  text "33" at 0.355,9.637 h1.5
  text "34" at 68.257,9.649 h1.5
  text "DEBUG" at 16.25,8.825 h1.3
  text "STLK_VCP_RX" at 33.95,8.25 h1.3
  text "L" at 23.075,7.338 h9
  text "A4" at 8.029,7.168 h1.3
  text "35" at 0.355,7.097 h1.5
  text "36" at 68.257,7.109 h1.5
  text "TX / D1" at 61.76,6.865 h1.3 r45
  text "COM" at 42.275,5.975 h1.3
  text "5V_PWR" at 55.225,5.6 h1.3 r90
  text "OC" at 53,5.3 h1.3 r90
  text "Reset" at 39.175,4.9 h1.3
  text "A5" at 8.019,4.628 h1.3
  text "37" at 0.355,4.557 h1.5
  text "38" at 68.257,4.569 h1.5
  text "RX / D0" at 61.81,4.44 h1.3 r45